# Altium PCB FPGA_Module.PcbDoc (part 1 of 6) (continued)
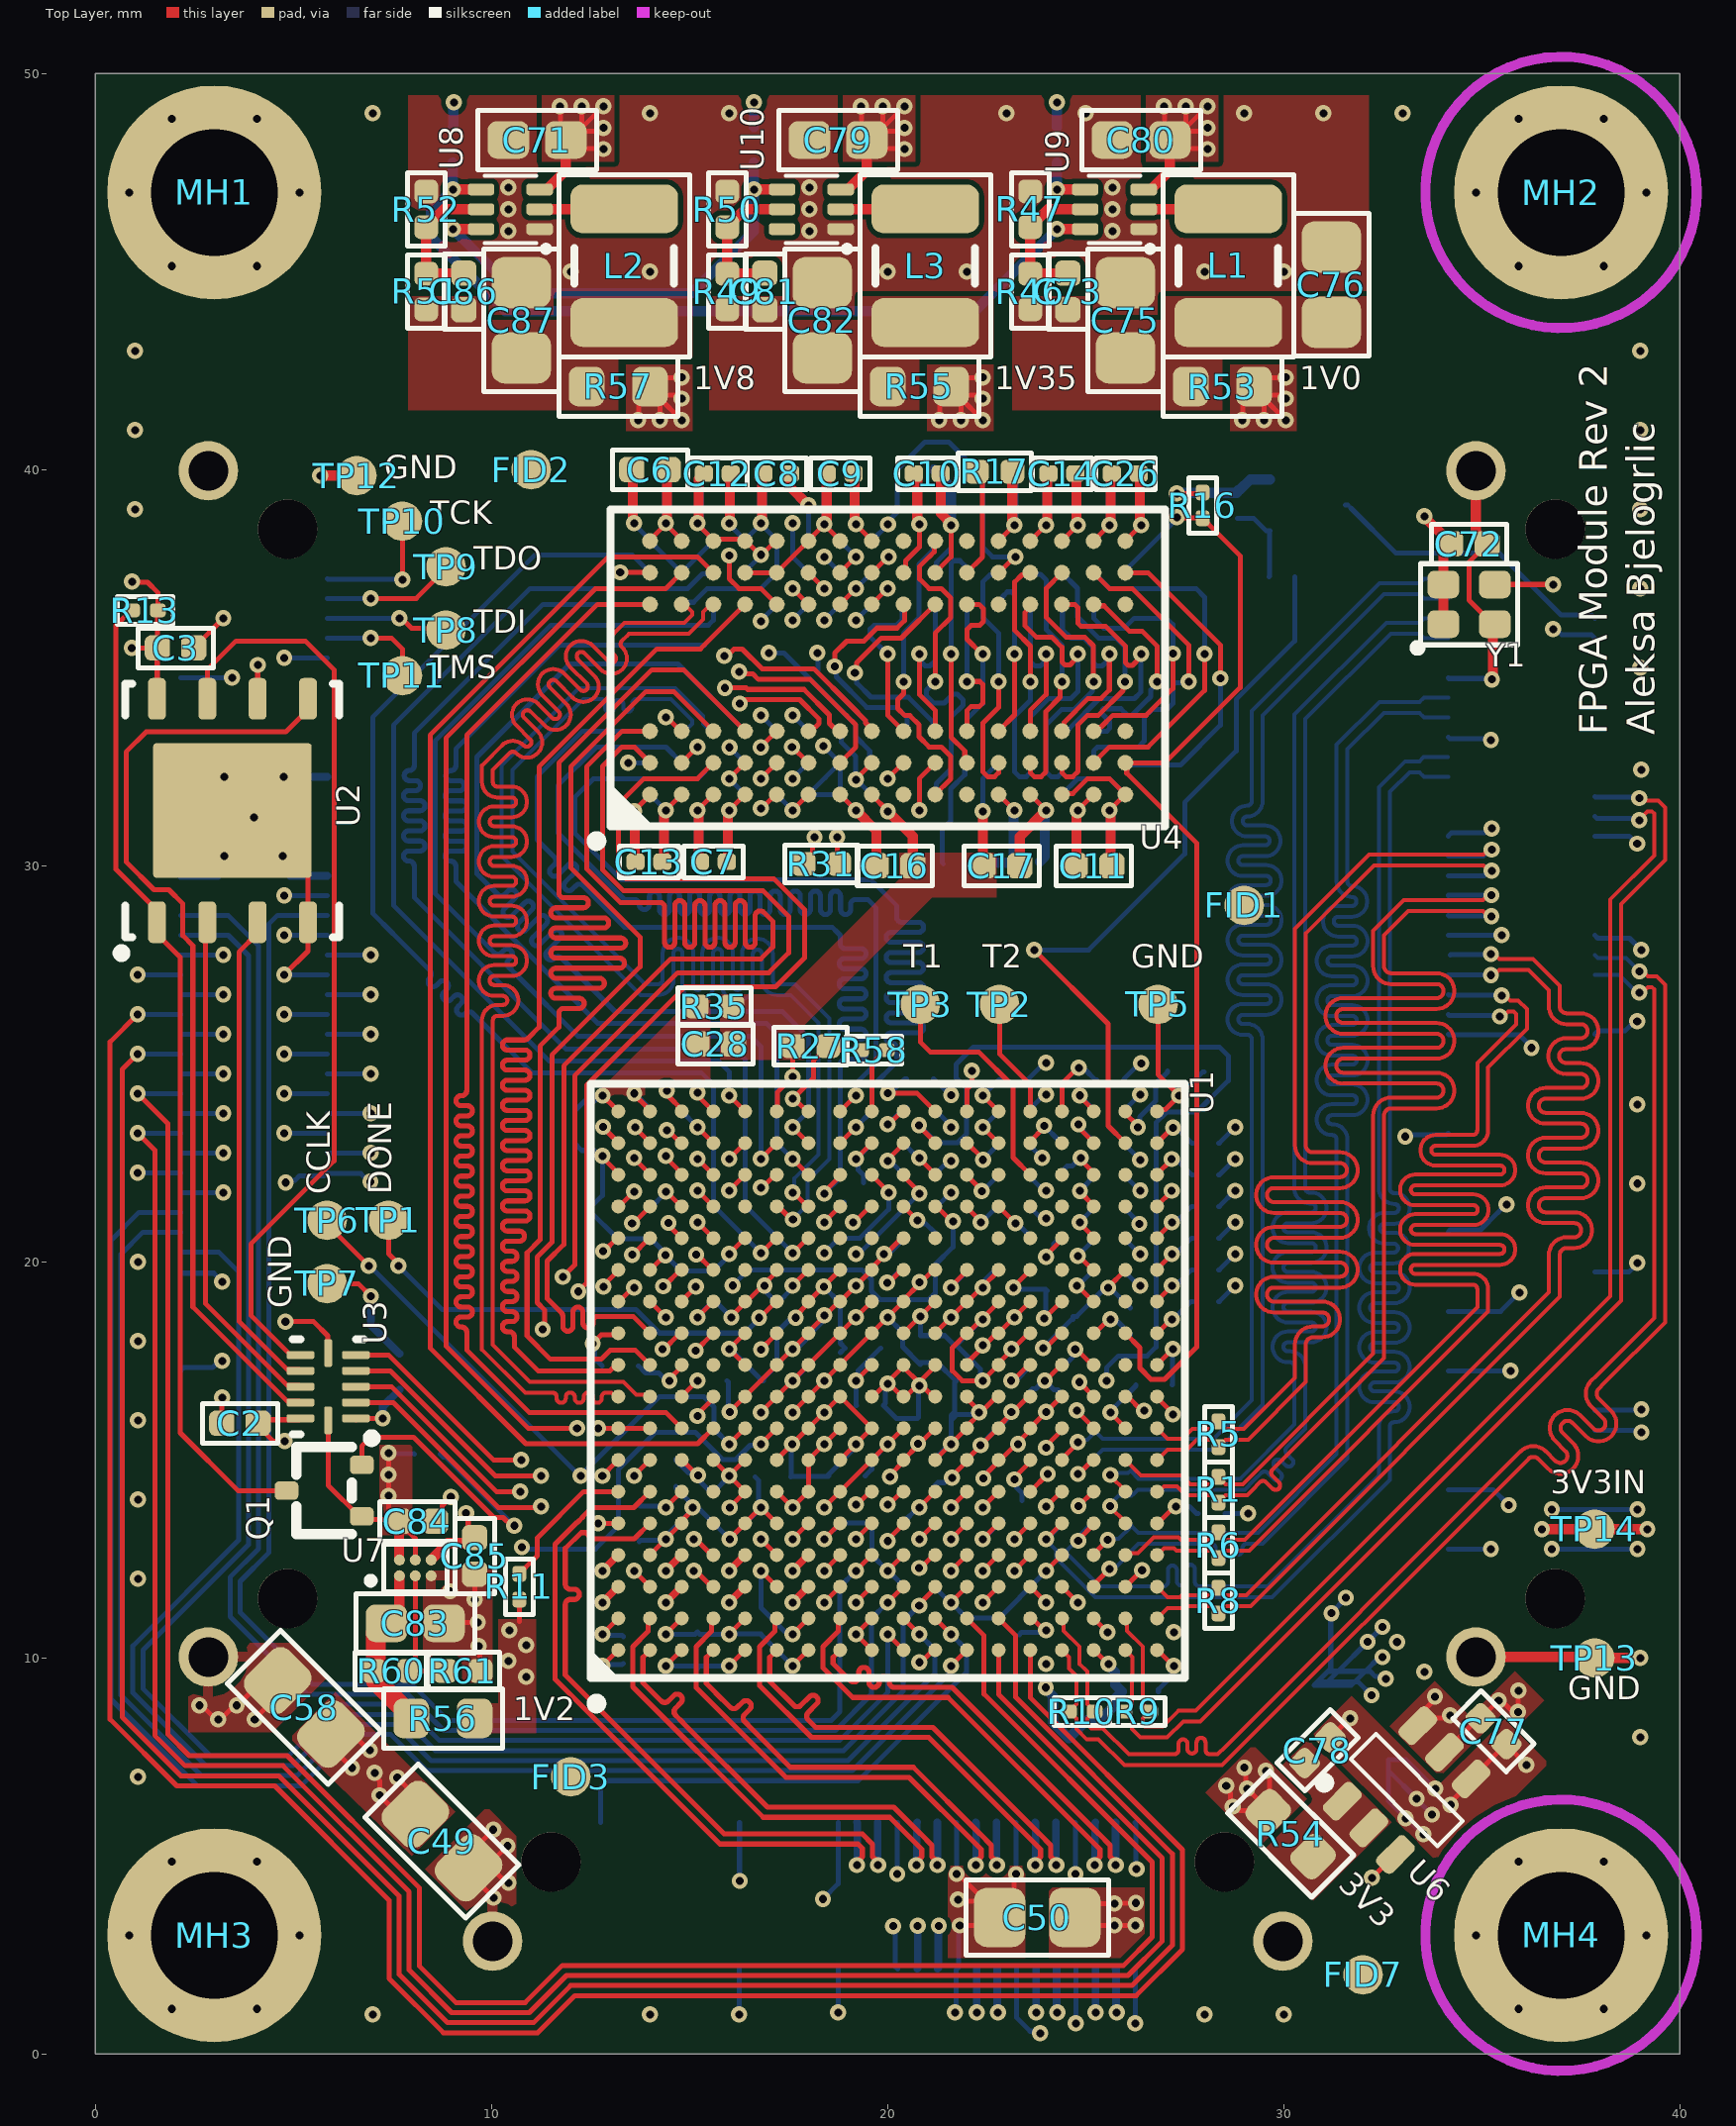
[diagram p0: Top Layer view]
## Components (designator, comment, footprint, x,y, rotation, side; value= is the part's Value field where it differs from the comment)
C1 "100nF" GEN_C_0402 7.675,17.225 r90 bottom
C2 "100nF" GEN_C_0402 3.65,15.925 r180 top
C3 "100nF" GEN_C_0402 2.025,35.5 r0 top
C4 "10nF" GEN_C_0402 22.7,40 r180 bottom
C5 "10nF" GEN_C_0402 20.7,40 r0 bottom
C6 "4.7uF" GEN_C_0402 14,40 r180 top
C7 "470nF" GEN_C_0201 15.6,30.1 r180 top
C8 "470nF" GEN_C_0201 17.2,39.9 r0 top
C9 "470nF" GEN_C_0201 18.8,39.9 r0 top
C10 "470nF" GEN_C_0201 21,39.9 r0 top
C11 "4.7uF" GEN_C_0402 25.2,30 r180 top
C12 "470nF" GEN_C_0201 15.7,39.9 r180 top
C13 "470nF" GEN_C_0201 13.975,30.1 r180 top
C14 "470nF" GEN_C_0201 24.4,39.9 r180 top
C15 "470nF" GEN_C_0201 13.975,30.075 r180 bottom
C16 "10nF" GEN_C_0402 20.175,30 r0 top
C17 "10nF" GEN_C_0402 22.875,30 r0 top
C18 "4.7uF" GEN_C_0402 14,40 r180 bottom
C19 "470nF" GEN_C_0201 24.4,39.9 r180 bottom
C20 "470nF" GEN_C_0201 15.6,30.1 r180 bottom
C21 "470nF" GEN_C_0201 17.2,39.9 r0 bottom
C22 "470nF" GEN_C_0201 15.7,39.9 r180 bottom
C23 "4.7uF" GEN_C_0402 25.2,30 r180 bottom
C24 "470nF" GEN_C_0201 18.8,39.9 r0 bottom
C25 "470nF" GEN_C_0201 23.5,30.1 r0 bottom
C26 "470nF" GEN_C_0201 26,39.9 r180 top
C27 "470nF" GEN_C_0201 26,39.9 r180 bottom
C28 "4.7uF" GEN_C_0402 15.65,25.5 r0 top
C29 "47uF" GEN_C_0805 23.625,7.975 r0 bottom
C30 "4.7uF" GEN_C_0402 23.325,11.05 r90 bottom
C31 "4.7uF" GEN_C_0402 26.375,9.15 r180 bottom
C32 "470nF" GEN_C_0201 28.175,13.65 r180 bottom
C33 "470nF" GEN_C_0201 23.15,13.725 r45 bottom
C34 "470nF" GEN_C_0201 20.79,11.8 r0 bottom
C35 "470nF" GEN_C_0201 19.998,13.408 r0 bottom
C36 "470nF" GEN_C_0201 24.4,22.625 r90 bottom
C37 "470nF" GEN_C_0201 26.125,18.5 r270 bottom
C38 "470nF" GEN_C_0201 15.625,19.4 r90 bottom
C39 "470nF" GEN_C_0201 14.425,23.825 r0 bottom
C40 "4.7uF" GEN_C_0402 27.525,24.825 r180 bottom
C41 "4.7uF" GEN_C_0402 12.15,23.4 r270 bottom
C42 "47uF" GEN_C_0805 11.525,21.35 r0 bottom
C43 "4.7uF" GEN_C_0402 26.725,16.9 r180 bottom
C44 "4.7uF" GEN_C_0402 13.25,17.3 r0 bottom
C45 "470nF" GEN_C_0201 24.025,20.6 r0 bottom
C46 "470nF" GEN_C_0201 14.011,20.978 r270 bottom
C47 "470nF" GEN_C_0201 19.2,21.8 r225 bottom
C48 "470nF" GEN_C_0201 20.001,23.011 r0 bottom
C49 "47uF" GEN_C_0805 8.75,5.375 r135 top
C50 "47uF" GEN_C_0805 23.775,3.45 r0 top
C51 "470nF" GEN_C_0201 20.825,17.75 r90 bottom
C52 "470nF" GEN_C_0201 21.125,14.625 r270 bottom
C53 "470nF" GEN_C_0201 22.825,15.375 r90 bottom
C54 "470nF" GEN_C_0201 18.075,17.825 r270 bottom
C55 "4.7uF" GEN_C_0402 18.95,14.6 r180 bottom
C56 "4.7uF" GEN_C_0402 21.725,17.45 r90 bottom
C57 "100uF" GEN_C_1210 31.7,8.3 r135 bottom
C58 "47uF" GEN_C_0805 5.275,8.75 r315 top
C59 "4.7uF" GEN_C_0402 24.35,18.95 r135 bottom
C60 "4.7uF" GEN_C_0402 16.4,17 r0 bottom
C61 "470nF" GEN_C_0201 22.4,19.825 r180 bottom
C62 "470nF" GEN_C_0201 17.215,18.571 r270 bottom
C63 "470nF" GEN_C_0201 20.4,20.25 r270 bottom
C64 "470nF" GEN_C_0201 19.55,16.375 r180 bottom
C65 "4.7uF" GEN_C_0402 15.2,10.2 r270 bottom
C66 "100nF" GEN_C_0201 13.325,10.2 r90 bottom
C67 "100nF" GEN_C_0201 16.8,10.95 r90 bottom
C68 "100nF" GEN_C_0201 14.65,14.675 r270 bottom
C69 "100nF" GEN_C_0201 15.55,13.8 r270 bottom
C70 "4.7uF" GEN_C_0402 13.725,13.4 r270 bottom
C71 "10uF" GEN_C_0603 11.15,48.325 r0 top
C72 "100nF" GEN_C_0402 34.675,38.125 r0 top
C73 "39pF" GEN_C_0402 24.55,44.5 r270 top
C75 "22uF" GEN_C_0805 26,43.775 r270 top
C76 "22uF" GEN_C_0805 31.2,44.675 r270 top
C77 "4.7uF" GEN_C_0402 35.295,8.149 r135 top
C78 "100nF" GEN_C_0402 30.852,7.67 r225 top
C79 "10uF" GEN_C_0603 18.75,48.325 r0 top
C80 "10uF" GEN_C_0603 26.4,48.325 r0 top
C81 "39pF" GEN_C_0402 16.9,44.5 r270 top
C82 "22uF" GEN_C_0805 18.35,43.775 r270 top
C83 "10uF" GEN_C_0603 8.075,10.875 r180 top
C84 "100nF" GEN_C_0402 8.125,13.45 r180 top
C85 "4.7uF" GEN_C_0402 9.575,12.575 r90 top
C86 "39pF" GEN_C_0402 9.3,44.5 r270 top
C87 "22uF" GEN_C_0805 10.75,43.775 r270 top
FB1 "120@100MHZ" GEN_R_0402 19.375,17.825 r180 bottom
FB2 "120@100MHZ" GEN_R_0402 21.2,16.05 r0 bottom
FB3 "120@100MHZ" GEN_R_0402 17.1,14.575 r180 bottom
FID1 "PCB" GEN_FID 29,29 r90 top
FID2 "PCB" GEN_FID 11,40 r90 top
FID3 "PCB" GEN_FID 12,7 r90 top
FID4 "PCB" GEN_FID 12,41 r90 bottom
FID5 "PCB" GEN_FID 27,28 r90 bottom
FID6 "PCB" GEN_FID 7,5 r90 bottom
FID7 "PCB" GEN_FID 32,2 r90 top
FID8 "PCB" GEN_FID 38,7 r90 bottom
JM1 "LSHM-150-04.0-L-DV-A-S-K-TR" SAM_LSHM-150-XX.X-XX-DV-A-S 36,25 r270 bottom locked
JM2 "LSHM-150-04.0-L-DV-A-S-K-TR" SAM_LSHM-150-XX.X-XX-DV-A-S 4,25 r270 bottom locked
JM3 "LSHM-130-04.0-L-DV-A-S-K-TR" SAM_LSHM-130-XX.X-XX-DV-A-S 20,4 r0 bottom locked
L1 "1uH" GEN_L_1210 28.6,45.15 r270 top
L2 "1uH" GEN_L_1210 13.35,45.15 r270 top
L3 "1uH" GEN_L_1210 20.95,45.15 r270 top
MH1 "M3" "MH M3" 3,47 r0 top locked
MH2 "M3" "MH M3" 37,47 r0 top locked
MH3 "M3" "MH M3" 3,3 r0 top locked
MH4 "M3" "MH M3" 37,3 r0 top locked
Q1 "DMN62D0UW" GEN_SOT_323 5.775,14.225 r90 top
Q2 "DMN62D0UW" GEN_SOT_323 30.601,39.104 r90 bottom
R1 "100" GEN_R_0201 28.35,14.25 r90 top
R2 "100" GEN_R_0201 25.25,15.4 r90 bottom
R3 "100" GEN_R_0201 24.815,13.39 r180 bottom
R4 "100" GEN_R_0201 26.15,14.4 r90 bottom
R5 "100" GEN_R_0201 28.35,15.65 r90 top
R6 "100" GEN_R_0201 28.35,12.85 r90 top
R7 "100" GEN_R_0201 26.15,13.025 r90 bottom
R8 "100" GEN_R_0201 28.35,11.45 r90 top
R9 "100" GEN_R_0201 26.3,8.65 r0 top
R10 "100" GEN_R_0201 24.9,8.65 r0 top
R11 "100" GEN_R_0201 10.7,11.8 r90 top
R12 "4.7K" GEN_R_0201 8.375,15.15 r180 bottom
R13 "4.7K" GEN_R_0201 1.25,36.45 r0 top
R14 "4.7K" GEN_R_0201 24.4,16.975 r270 bottom
R15 "4.7K" GEN_R_0201 23.55,17 r270 bottom
R16 "4.7K" GEN_R_0201 27.95,39.1 r90 top
R17 "240" GEN_R_0402 22.7,39.95 r0 top
R18 "240" GEN_R_0402 21.85,30.05 r0 bottom
R19 "33" GEN_R_0201 21.225,21.025 r90 bottom
R20 "33" GEN_R_0201 25.6,20.6 r0 bottom
R21 "33" GEN_R_0201 25.6,22.2 r0 bottom
R22 "33" GEN_R_0201 25.6,24.6 r0 bottom
R23 "33" GEN_R_0201 25.6,23 r0 bottom
R24 "33" GEN_R_0201 25.6,21.4 r0 bottom
R25 "33" GEN_R_0201 23.175,23 r0 bottom
R26 "33" GEN_R_0201 23.175,22.2 r0 bottom
R27 "1K" GEN_R_0402 18.05,25.45 r0 top
R28 "33" GEN_R_0201 23.175,21.45 r0 bottom
R29 "33" GEN_R_0201 23.175,23.8 r0 bottom
R30 "33" GEN_R_0201 28.025,19 r0 bottom
R31 "82" GEN_R_0402 18.325,30.05 r180 top
R32 "33" GEN_R_0201 23.175,24.6 r0 bottom
R33 "33" GEN_R_0201 25.6,23.8 r0 bottom
R34 "33" GEN_R_0201 20.8,24.625 r0 bottom
R35 "1K" GEN_R_0402 15.625,26.45 r0 top
R36 "33" GEN_R_0201 20.8,22.175 r0 bottom
R37 "33" GEN_R_0201 20.8,23.9 r0 bottom
R38 "33" GEN_R_0201 28.025,21.4 r0 bottom
R39 "33" GEN_R_0201 28.025,19.8 r0 bottom
R40 "33" GEN_R_0201 28.025,22.2 r0 bottom
R41 "33" GEN_R_0201 25.575,19.8 r0 bottom
R42 "33" GEN_R_0201 28.025,20.6 r0 bottom
R43 "33" GEN_R_0201 28.025,23 r0 bottom
R44 "100k" GEN_R_0402 9.025,48.2 r90 bottom
R45 "100k" GEN_R_0402 24.275,48.2 r90 bottom
R46 "66.5k" GEN_R_0402 23.6,44.5 r270 top
R47 "100k" GEN_R_0402 23.6,46.575 r270 top
R48 "100k" GEN_R_0402 16.625,48.2 r90 bottom
R49 "124k" GEN_R_0402 15.95,44.5 r270 top
R50 "100k" GEN_R_0402 15.95,46.575 r270 top
R51 "200K" GEN_R_0402 8.35,44.5 r270 top
R52 "100k" GEN_R_0402 8.35,46.575 r270 top
R53 "0.01" GEN_R_0603 28.45,42.1 r0 top
R54 "0.01" GEN_R_0603 30.175,5.55 r135 top
R55 "0.01" GEN_R_0603 20.8,42.1 r0 top
R56 "0.01" GEN_R_0603 8.775,8.475 r0 top
R57 "0.01" GEN_R_0603 13.2,42.1 r0 top
R58 "100" GEN_R_0201 19.65,25.35 r180 top
R59 "4.7K" GEN_R_0201 28.825,39.1 r90 bottom
R60 "140k" GEN_R_0402 7.475,9.675 r180 top
R61 "100k" GEN_R_0402 9.275,9.675 r180 top
R62 "100" GEN_R_0201 29.95,37.3 r180 bottom
TP1 "PCB" GEN_TP_PCB 7.4,21.05 r90 top
TP2 "PCB" GEN_TP_PCB 22.825,26.5 r90 top
TP3 "PCB" GEN_TP_PCB 20.825,26.5 r90 top
TP5 "PCB" GEN_TP_PCB 26.825,26.5 r90 top
TP6 "PCB" GEN_TP_PCB 5.85,21.05 r90 top
TP7 "PCB" GEN_TP_PCB 5.85,19.45 r90 top
TP8 "PCB" GEN_TP_PCB 8.85,35.95 r90 top
TP9 "PCB" GEN_TP_PCB 8.85,37.55 r90 top
TP10 "PCB" GEN_TP_PCB 7.75,38.7 r90 top
TP11 "PCB" GEN_TP_PCB 7.75,34.8 r90 top
TP12 "PCB" GEN_TP_PCB 6.6,39.85 r90 top
TP13 "PCB" GEN_TP_PCB 37.85,10 r90 top
TP14 "PCB" GEN_TP_PCB 37.85,13.25 r90 top
U1 "IC FPGA XC7A50T-2CSG325C" XILINX_XC7A50T-2CSG325C 20,17 r90 top locked
U2 "MX25U6432FZNI02" MX_WSON8 3.46,31.395 r90 top
U3 "TXB0104RUTR" TI_UQFN_RUT0012A 5.875,16.85 r180 top
U4 "IC DDR3 MT41K64M16JT-15E" MICT-JT-96 20,35 r90 top locked
U5 "IC DDR3 MT41K64M16JT-15E" MICT-JT-96 20,35 r270 bottom locked
U6 "SIP32508" VISH_TSOT6 33.103,6.664 r45 top
U7 "LD57100JR" ST_FlipChip6 8.075,12.275 r90 top
U8 "TPS62A01" TI_SOT563_DRL0006A 10.475,46.575 r180 top
U9 "TPS62A02" TI_SOT563_DRL0006A 25.725,46.575 r180 top
U10 "TPS62A01" TI_SOT563_DRL0006A 18.075,46.575 r180 top
Y1 "25MHz" ECS_TXO-2016 34.679,36.602 r0 top

## Footprints (in the part's own frame and the unit in brackets; to place one, negate y for a bottom-side part, rotate by r counter-clockwise, add the part's x,y. Pads: shape width x height; smd on the part's side, far side on the other; paste and mask are expansions set on the pad)
ECS_TXO-2016 [mm]
  rrect50% 0.8x0.7 smd: 1(-0.65,-0.5) 2(0.65,-0.5) 3(0.65,0.5) 4(-0.65,0.5)
  silkscreen extent -1.4,-1.2 1.22,1.02, body extent -1.05,-0.85 1.05,0.85, height 0.8
GEN_C_0201 [mm] "Chip Capacitor, 2-Leads, Body 0.60x0.30mm, IPC Medium Density"
  rrect50% 0.46x0.42 smd: 1(-0.34,0) 2(0.34,0)
  silkscreen extent -0.75,-0.4 0.75,0.4, body extent -0.32,-0.17 0.32,0.17, height 0.33
GEN_C_0402 [mm] "Chip Capacitor, 0402, IPC Medium Density"
  rrect50% 0.64x0.64 smd: 1(-0.46,0) 2(0.46,0)
  silkscreen extent -0.95,-0.5 0.95,0.5, body extent -0.55,-0.3 0.55,0.3, height 0.6
GEN_C_0603 [mm] "Chip Capacitor, 2-Leads, Body 1.60x0.80mm, IPC Medium Density"
  rrect50% 1.05x0.95 smd: 1(-0.725,0) 2(0.725,0)
  silkscreen extent -1.5,-0.75 1.5,0.75, body extent -0.85,-0.45 0.85,0.45, height 0.9
GEN_C_0805 [mm] "Chip Capacitor, 2-Leads, Body 2.00x1.25mm, IPC Medium Density"
  rrect50% 1.3x1.5 smd: 1(-0.95,0) 2(0.95,0)
  silkscreen extent -1.8,-0.95 1.8,0.95, body extent -1.1,-0.72 1.1,0.72, height 1.45
GEN_C_1210 [mm] "Chip Capacitor, 2-Leads, Body 3.20x2.50mm, IPC Medium Density"
  rrect25% 1.65x2.8 smd: 1(-1.325,0) 2(1.325,0)
  silkscreen extent -2.4,-1.65 2.4,1.65, body extent -1.8,-1.4 1.8,1.4, height 2.8
GEN_FID [mm]
  round 1 smd paste-1 mask+0.5: 1(0,0)
GEN_L_1210 [mm] "Chip Inductor, 2-Leads, Body 3.20x2.50mm, IPC Medium Density"
  rrect50% 1.23x2.72 smd: 1(-1.435,0) 2(1.435,0)
  silkscreen extent -2.3,-1.65 2.3,1.65, body extent -1.7,-1.35 1.7,1.35, height 1.2
GEN_R_0201 [mm] "Chip Resistor, 2-Leads, Body 0.60x0.30mm, IPC Medium Density"
  rrect50% 0.4x0.35 smd: 1(-0.325,0) 2(0.325,0)
  silkscreen extent -0.7,-0.35 0.7,0.35, body extent -0.32,-0.17 0.32,0.17, height 0.26
GEN_R_0402 [mm] "Chip Resistor, 2-Leads, Body 1.00x0.50mm, IPC Medium Density"
  rrect50% 0.6x0.6 smd: 1(-0.45,0) 2(0.45,0)
  silkscreen extent -0.92,-0.48 0.92,0.48, body extent -0.55,-0.3 0.55,0.3, height 0.4
GEN_R_0603 [mm]
  rrect50% 0.9x1 smd: 1(-0.8,0) 2(0.8,0)
  silkscreen extent -1.5,-0.75 1.5,0.75, body extent -0.9,-0.5 0.9,0.5, height 0.6
GEN_SOT_323 [mm]
  rrect50% 0.47x0.6 smd: 1(0,0.95) 2(-0.65,-0.95) 3(0.65,-0.95)
  silkscreen extent -1.1,-0.7 1.1,0.7, body extent -1.23,-0.83 1.23,0.83, height 1.1
GEN_TP_PCB [mm]
  round 1 smd paste-1: 1(0,0)
"MH M3" [mm]
  round 5.4 hole 3.2 unplated: 1(0,0)
MICT-JT-96 [mm] "BGA, 96-Balls, Body 14x8mm, Pitch 0.8mm"
  round 0.4 smd: A1(-3.2,6) A2(-2.4,6) A3(-1.6,6) A7(1.6,6) A8(2.4,6) A9(3.2,6) B1(-3.2,5.2) B2(-2.4,5.2) B3(-1.6,5.2) B7(1.6,5.2) B8(2.4,5.2) B9(3.2,5.2) C1(-3.2,4.4) C2(-2.4,4.4) C3(-1.6,4.4) C7(1.6,4.4) C8(2.4,4.4) C9(3.2,4.4) D1(-3.2,3.6) D2(-2.4,3.6) D3(-1.6,3.6) D7(1.6,3.6) D8(2.4,3.6) D9(3.2,3.6) E1(-3.2,2.8) E2(-2.4,2.8) E3(-1.6,2.8) E7(1.6,2.8) E8(2.4,2.8) E9(3.2,2.8) F1(-3.2,2) F2(-2.4,2) F3(-1.6,2) F7(1.6,2) F8(2.4,2) F9(3.2,2) G1(-3.2,1.2) G2(-2.4,1.2) G3(-1.6,1.2) G7(1.6,1.2) G8(2.4,1.2) G9(3.2,1.2) H1(-3.2,0.4) H2(-2.4,0.4) H3(-1.6,0.4) H7(1.6,0.4) H8(2.4,0.4) H9(3.2,0.4) J1(-3.2,-0.4) J2(-2.4,-0.4) J3(-1.6,-0.4) J7(1.6,-0.4) J8(2.4,-0.4) J9(3.2,-0.4) K1(-3.2,-1.2) K2(-2.4,-1.2) K3(-1.6,-1.2) K7(1.6,-1.2) K8(2.4,-1.2) K9(3.2,-1.2) L1(-3.2,-2) L2(-2.4,-2) L3(-1.6,-2) L7(1.6,-2) L8(2.4,-2) L9(3.2,-2) M1(-3.2,-2.8) M2(-2.4,-2.8) M3(-1.6,-2.8) M7(1.6,-2.8) M8(2.4,-2.8) M9(3.2,-2.8) N1(-3.2,-3.6) N2(-2.4,-3.6) N3(-1.6,-3.6) N7(1.6,-3.6) N8(2.4,-3.6) N9(3.2,-3.6) P1(-3.2,-4.4) P2(-2.4,-4.4) P3(-1.6,-4.4) P7(1.6,-4.4) P8(2.4,-4.4) P9(3.2,-4.4) R1(-3.2,-5.2) R2(-2.4,-5.2) R3(-1.6,-5.2) R7(1.6,-5.2) R8(2.4,-5.2) R9(3.2,-5.2) T1(-3.2,-6) T2(-2.4,-6) T3(-1.6,-6) T7(1.6,-6) T8(2.4,-6) T9(3.2,-6)
  silkscreen extent -4.5,-7 4,7.47, body extent -4,-7 4,7, height 0.25
MX_WSON8 [mm] "SON, 8-Leads, Body 5.00x6.00mm, Pitch 1.27mm, Thermal Pad 4.00x3.40mm, IPC Medium Density"
  rrect50% 1.05x0.45 smd: 1(-2.82,1.905) 2(-2.82,0.635) 3(-2.82,-0.635) 4(-2.82,-1.905) 5(2.82,-1.905) 6(2.82,-0.635) 7(2.82,0.635) 8(2.82,1.905)
  rrect5% 3.4x4 smd paste-1.7: 9(0,0)
  silkscreen extent -3.7,-2.7 3.2,2.9, body extent -3.05,-2.55 3.05,2.55, height 0.8
SAM_LSHM-130-XX.X-XX-DV-A-S [mm]
  rrect50% 0.3x1.5 smd: 1(7.25,-1.85) 2(7.25,1.85) 3(6.75,-1.85) 4(6.75,1.85) 5(6.25,-1.85) 6(6.25,1.85) 7(5.75,-1.85) 8(5.75,1.85) 9(5.25,-1.85) 10(5.25,1.85) 11(4.75,-1.85) 12(4.75,1.85) 13(4.25,-1.85) 14(4.25,1.85) 15(3.75,-1.85) 16(3.75,1.85) 17(3.25,-1.85) 18(3.25,1.85) 19(2.75,-1.85) 20(2.75,1.85) 21(2.25,-1.85) 22(2.25,1.85) 23(1.75,-1.85) 24(1.75,1.85) 25(1.25,-1.85) 26(1.25,1.85) 27(0.75,-1.85) 28(0.75,1.85) 29(0.25,-1.85) 30(0.25,1.85) 31(-0.25,-1.85) 32(-0.25,1.85) 33(-0.75,-1.85) 34(-0.75,1.85) 35(-1.25,-1.85) 36(-1.25,1.85) 37(-1.75,-1.85) 38(-1.75,1.85) 39(-2.25,-1.85) 40(-2.25,1.85) 41(-2.75,-1.85) 42(-2.75,1.85) 43(-3.25,-1.85) 44(-3.25,1.85) 45(-3.75,-1.85) 46(-3.75,1.85) 47(-4.25,-1.85) 48(-4.25,1.85) 49(-4.75,-1.85) 50(-4.75,1.85) 51(-5.25,-1.85) 52(-5.25,1.85) 53(-5.75,-1.85) 54(-5.75,1.85) 55(-6.25,-1.85) 56(-6.25,1.85) 57(-6.75,-1.85) 58(-6.75,1.85) 59(-7.25,-1.85) 60(-7.25,1.85)
  round 1.5 hole 1: 61(9.975,1.15) 62(-9.975,1.15)
  round 1.5 hole 1.5 unplated: ""(-8.5,-0.85) ""(8.5,-0.85)
  silkscreen extent -11.13,-3 11.13,3, body extent -10.4,-2.49 10.4,2.64, height 5.6
SAM_LSHM-150-XX.X-XX-DV-A-S [mm]
  rrect50% 0.3x1.5 smd: 1(12.25,-1.85) 2(12.25,1.85) 3(11.75,-1.85) 4(11.75,1.85) 5(11.25,-1.85) 6(11.25,1.85) 7(10.75,-1.85) 8(10.75,1.85) 9(10.25,-1.85) 10(10.25,1.85) 11(9.75,-1.85) 12(9.75,1.85) 13(9.25,-1.85) 14(9.25,1.85) 15(8.75,-1.85) 16(8.75,1.85) 17(8.25,-1.85) 18(8.25,1.85) 19(7.75,-1.85) 20(7.75,1.85) 21(7.25,-1.85) 22(7.25,1.85) 23(6.75,-1.85) 24(6.75,1.85) 25(6.25,-1.85) 26(6.25,1.85) 27(5.75,-1.85) 28(5.75,1.85) 29(5.25,-1.85) 30(5.25,1.85) 31(4.75,-1.85) 32(4.75,1.85) 33(4.25,-1.85) 34(4.25,1.85) 35(3.75,-1.85) 36(3.75,1.85) 37(3.25,-1.85) 38(3.25,1.85) 39(2.75,-1.85) 40(2.75,1.85) 41(2.25,-1.85) 42(2.25,1.85) 43(1.75,-1.85) 44(1.75,1.85) 45(1.25,-1.85) 46(1.25,1.85) 47(0.75,-1.85) 48(0.75,1.85) 49(0.25,-1.85) 50(0.25,1.85) 51(-0.25,-1.85) 52(-0.25,1.85) 53(-0.75,-1.85) 54(-0.75,1.85) 55(-1.25,-1.85) 56(-1.25,1.85) 57(-1.75,-1.85) 58(-1.75,1.85) 59(-2.25,-1.85) 60(-2.25,1.85) 61(-2.75,-1.85) 62(-2.75,1.85) 63(-3.25,-1.85) 64(-3.25,1.85) 65(-3.75,-1.85) 66(-3.75,1.85) 67(-4.25,-1.85) 68(-4.25,1.85) 69(-4.75,-1.85) 70(-4.75,1.85) 71(-5.25,-1.85) 72(-5.25,1.85) 73(-5.75,-1.85) 74(-5.75,1.85) 75(-6.25,-1.85) 76(-6.25,1.85) 77(-6.75,-1.85) 78(-6.75,1.85) 79(-7.25,-1.85) 80(-7.25,1.85) 81(-7.75,-1.85) 82(-7.75,1.85) 83(-8.25,-1.85) 84(-8.25,1.85) 85(-8.75,-1.85) 86(-8.75,1.85) 87(-9.25,-1.85) 88(-9.25,1.85) 89(-9.75,-1.85) 90(-9.75,1.85) 91(-10.25,-1.85) 92(-10.25,1.85) 93(-10.75,-1.85) 94(-10.75,1.85) 95(-11.25,-1.85) 96(-11.25,1.85) 97(-11.75,-1.85) 98(-11.75,1.85) 99(-12.25,-1.85) 100(-12.25,1.85)
  round 1.5 hole 1: 101(14.975,1.15) 102(-14.975,1.15)
  round 1.5 hole 1.5 unplated: ""(-13.5,-0.85) ""(13.5,-0.85)
  silkscreen extent -16.12,-3 16.12,3, body extent -15.4,-2.49 15.4,2.64, height 5.6
ST_FlipChip6 [mil] "BGA, 6-Leads, Body 0.78x1.18mmx0.36mm, Pitch 0.40mm"
  round 11 smd paste+0 mask+0: A1(-7.88,15.75) A2(7.87,15.75) B1(-7.88,0) B2(7.88,0) C1(-7.87,-15.75) C2(7.88,-15.75)
  silkscreen extent -24,-31 24,46, body extent -16,-24 16,24, height 14
TI_SOT563_DRL0006A [mm] "SOTFL, 6-Leads, Body 1.60x1.60mm, Pitch 0.50mm, IPC Medium Density"
  rrect50% 0.67x0.3 smd: 1(-0.74,0.5) 2(-0.74,0) 3(-0.74,-0.5) 4(0.74,-0.5) 5(0.74,0) 6(0.74,0.5)
  silkscreen extent -0.97,-0.85 0.65,1.07, body extent -0.8,-0.85 0.8,0.85, height 0.6
TI_UQFN_RUT0012A [mm]
  rrect50% 0.7x0.2 smd paste+0 mask+0.051: 1(-0.7,0.8) 2(-0.7,0.4) 3(-0.7,0) 4(-0.7,-0.4) 5(-0.7,-0.8) 7(0.7,-0.8) 8(0.7,-0.4) 9(0.7,0) 10(0.7,0.4) 11(0.7,0.8)
  rrect50% 0.2x0.7 smd paste+0 mask+0.051: 6(0,-0.85) 12(0,0.85)
  silkscreen extent -1.2,-1.2 0.9,1.4, body extent -0.9,-1.05 0.9,1.05, height 0.55
VISH_TSOT6 [mm] "SOT23, 6-Leads, Body 2.98x2.84mm, Pitch 0.95mm, IPC Medium Density"
  rrect50% 1x0.55 smd: 1(-1.35,0.95) 2(-1.35,0) 3(-1.35,-0.95) 4(1.35,-0.95) 5(1.35,0) 6(1.35,0.95)
  silkscreen extent -1.46,-1.55 0.45,1.73, body extent -1.49,-1.55 1.49,1.55, height 1.1
XILINX_XC7A50T-2CSG325C [mm] "BGA, 324-Balls, Body 15x15mm, Pitch 0.8mm"
  round 0.35 smd: A1(-6.8,6.8) A2(-6,6.8) A3(-5.2,6.8) A4(-4.4,6.8) A5(-3.6,6.8) A6(-2.8,6.8) A7(-2,6.8) A8(-1.2,6.8) A9(-0.4,6.8) A10(0.4,6.8) A11(1.2,6.8) A12(2,6.8) A13(2.8,6.8) A14(3.6,6.8) A15(4.4,6.8) A16(5.2,6.8) A17(6,6.8) A18(6.8,6.8) B1(-6.8,6) B2(-6,6) B3(-5.2,6) B4(-4.4,6) B5(-3.6,6) B6(-2.8,6) B7(-2,6) B8(-1.2,6) B9(-0.4,6) B10(0.4,6) B11(1.2,6) B12(2,6) B13(2.8,6) B14(3.6,6) B15(4.4,6) B16(5.2,6) B17(6,6) B18(6.8,6) C1(-6.8,5.2) C2(-6,5.2) C3(-5.2,5.2) C4(-4.4,5.2) C5(-3.6,5.2) C6(-2.8,5.2) C7(-2,5.2) C8(-1.2,5.2) C9(-0.4,5.2) C10(0.4,5.2) C11(1.2,5.2) C12(2,5.2) C13(2.8,5.2) C14(3.6,5.2) C15(4.4,5.2) C16(5.2,5.2) C17(6,5.2) C18(6.8,5.2) D1(-6.8,4.4) D2(-6,4.4) D3(-5.2,4.4) D4(-4.4,4.4) D5(-3.6,4.4) D6(-2.8,4.4) D7(-2,4.4) D8(-1.2,4.4) D9(-0.4,4.4) D10(0.4,4.4) D11(1.2,4.4) D12(2,4.4) D13(2.8,4.4) D14(3.6,4.4) D15(4.4,4.4) D16(5.2,4.4) D17(6,4.4) D18(6.8,4.4) E1(-6.8,3.6) E2(-6,3.6) E3(-5.2,3.6) E4(-4.4,3.6) E5(-3.6,3.6) E6(-2.8,3.6) E7(-2,3.6) E8(-1.2,3.6) E9(-0.4,3.6) E10(0.4,3.6) E11(1.2,3.6) E12(2,3.6) E13(2.8,3.6) E14(3.6,3.6) E15(4.4,3.6) E16(5.2,3.6) E17(6,3.6) E18(6.8,3.6) F1(-6.8,2.8) F2(-6,2.8) F3(-5.2,2.8) F4(-4.4,2.8) F5(-3.6,2.8) F6(-2.8,2.8) F7(-2,2.8) F8(-1.2,2.8) F9(-0.4,2.8) F10(0.4,2.8) F11(1.2,2.8) F12(2,2.8) F13(2.8,2.8) F14(3.6,2.8) F15(4.4,2.8) F16(5.2,2.8) F17(6,2.8) F18(6.8,2.8) G1(-6.8,2) G2(-6,2) G3(-5.2,2) G4(-4.4,2) G5(-3.6,2) G6(-2.8,2) G7(-2,2) G8(-1.2,2) G9(-0.4,2) G10(0.4,2) G11(1.2,2) G12(2,2) G13(2.8,2) G14(3.6,2) G15(4.4,2) G16(5.2,2) G17(6,2) G18(6.8,2) H1(-6.8,1.2) H2(-6,1.2) H3(-5.2,1.2) H4(-4.4,1.2) H5(-3.6,1.2) H6(-2.8,1.2) H7(-2,1.2) H8(-1.2,1.2) H9(-0.4,1.2) H10(0.4,1.2) H11(1.2,1.2) H12(2,1.2) H13(2.8,1.2) H14(3.6,1.2) H15(4.4,1.2) H16(5.2,1.2) H17(6,1.2) H18(6.8,1.2) J1(-6.8,0.4) J2(-6,0.4) J3(-5.2,0.4) J4(-4.4,0.4) J5(-3.6,0.4) J6(-2.8,0.4) J7(-2,0.4) J8(-1.2,0.4) J9(-0.4,0.4) J10(0.4,0.4) J11(1.2,0.4) J12(2,0.4) J13(2.8,0.4) J14(3.6,0.4) J15(4.4,0.4) J16(5.2,0.4) J17(6,0.4) J18(6.8,0.4) K1(-6.8,-0.4) K2(-6,-0.4) K3(-5.2,-0.4) K4(-4.4,-0.4) K5(-3.6,-0.4) K6(-2.8,-0.4) K7(-2,-0.4) K8(-1.2,-0.4) K9(-0.4,-0.4) K10(0.4,-0.4) K11(1.2,-0.4) K12(2,-0.4) K13(2.8,-0.4) K14(3.6,-0.4) K15(4.4,-0.4) K16(5.2,-0.4) K17(6,-0.4) K18(6.8,-0.4) L1(-6.8,-1.2) L2(-6,-1.2) L3(-5.2,-1.2) L4(-4.4,-1.2) L5(-3.6,-1.2) L6(-2.8,-1.2) L7(-2,-1.2) L8(-1.2,-1.2) L9(-0.4,-1.2) L10(0.4,-1.2) L11(1.2,-1.2) L12(2,-1.2) L13(2.8,-1.2) L14(3.6,-1.2) L15(4.4,-1.2) L16(5.2,-1.2) L17(6,-1.2) L18(6.8,-1.2) M1(-6.8,-2) M2(-6,-2) M3(-5.2,-2) M4(-4.4,-2) M5(-3.6,-2) M6(-2.8,-2) M7(-2,-2) M8(-1.2,-2) M9(-0.4,-2) M10(0.4,-2) M11(1.2,-2) M12(2,-2) M13(2.8,-2) M14(3.6,-2) M15(4.4,-2) M16(5.2,-2) M17(6,-2) M18(6.8,-2) N1(-6.8,-2.8) N2(-6,-2.8) N3(-5.2,-2.8) N4(-4.4,-2.8) N5(-3.6,-2.8) N6(-2.8,-2.8) N7(-2,-2.8) N8(-1.2,-2.8) N9(-0.4,-2.8) N10(0.4,-2.8) N11(1.2,-2.8) N12(2,-2.8) N13(2.8,-2.8) N14(3.6,-2.8) N15(4.4,-2.8) N16(5.2,-2.8) N17(6,-2.8) N18(6.8,-2.8) P1(-6.8,-3.6) P2(-6,-3.6) P3(-5.2,-3.6) P4(-4.4,-3.6) P5(-3.6,-3.6) P6(-2.8,-3.6) P7(-2,-3.6) P8(-1.2,-3.6) P9(-0.4,-3.6) P10(0.4,-3.6) P11(1.2,-3.6) P12(2,-3.6) P13(2.8,-3.6) P14(3.6,-3.6) P15(4.4,-3.6) P16(5.2,-3.6) P17(6,-3.6) P18(6.8,-3.6) R1(-6.8,-4.4) R2(-6,-4.4) R3(-5.2,-4.4) R4(-4.4,-4.4) R5(-3.6,-4.4) R6(-2.8,-4.4) R7(-2,-4.4) R8(-1.2,-4.4) R9(-0.4,-4.4) R10(0.4,-4.4) R11(1.2,-4.4) R12(2,-4.4) R13(2.8,-4.4) R14(3.6,-4.4) R15(4.4,-4.4) R16(5.2,-4.4) R17(6,-4.4) R18(6.8,-4.4) T1(-6.8,-5.2) T2(-6,-5.2) T3(-5.2,-5.2) T4(-4.4,-5.2) T5(-3.6,-5.2) T6(-2.8,-5.2) T7(-2,-5.2) T8(-1.2,-5.2) T9(-0.4,-5.2) T10(0.4,-5.2) T11(1.2,-5.2) T12(2,-5.2) T13(2.8,-5.2) T14(3.6,-5.2) T15(4.4,-5.2) T16(5.2,-5.2) T17(6,-5.2) T18(6.8,-5.2) U1(-6.8,-6) U2(-6,-6) U3(-5.2,-6) U4(-4.4,-6) U5(-3.6,-6) U6(-2.8,-6) U7(-2,-6) U8(-1.2,-6) U9(-0.4,-6) U10(0.4,-6) U11(1.2,-6) U12(2,-6) U13(2.8,-6) U14(3.6,-6) U15(4.4,-6) U16(5.2,-6) U17(6,-6) U18(6.8,-6) V1(-6.8,-6.8) V2(-6,-6.8) V3(-5.2,-6.8) V4(-4.4,-6.8) V5(-3.6,-6.8) V6(-2.8,-6.8) V7(-2,-6.8) V8(-1.2,-6.8) V9(-0.4,-6.8) V10(0.4,-6.8) V11(1.2,-6.8) V12(2,-6.8) V13(2.8,-6.8) V14(3.6,-6.8) V15(4.4,-6.8) V16(5.2,-6.8) V17(6,-6.8) V18(6.8,-6.8)